# Altium PCB bms_mainboard-1_0.PcbDoc (part 3 of 7) (continued)
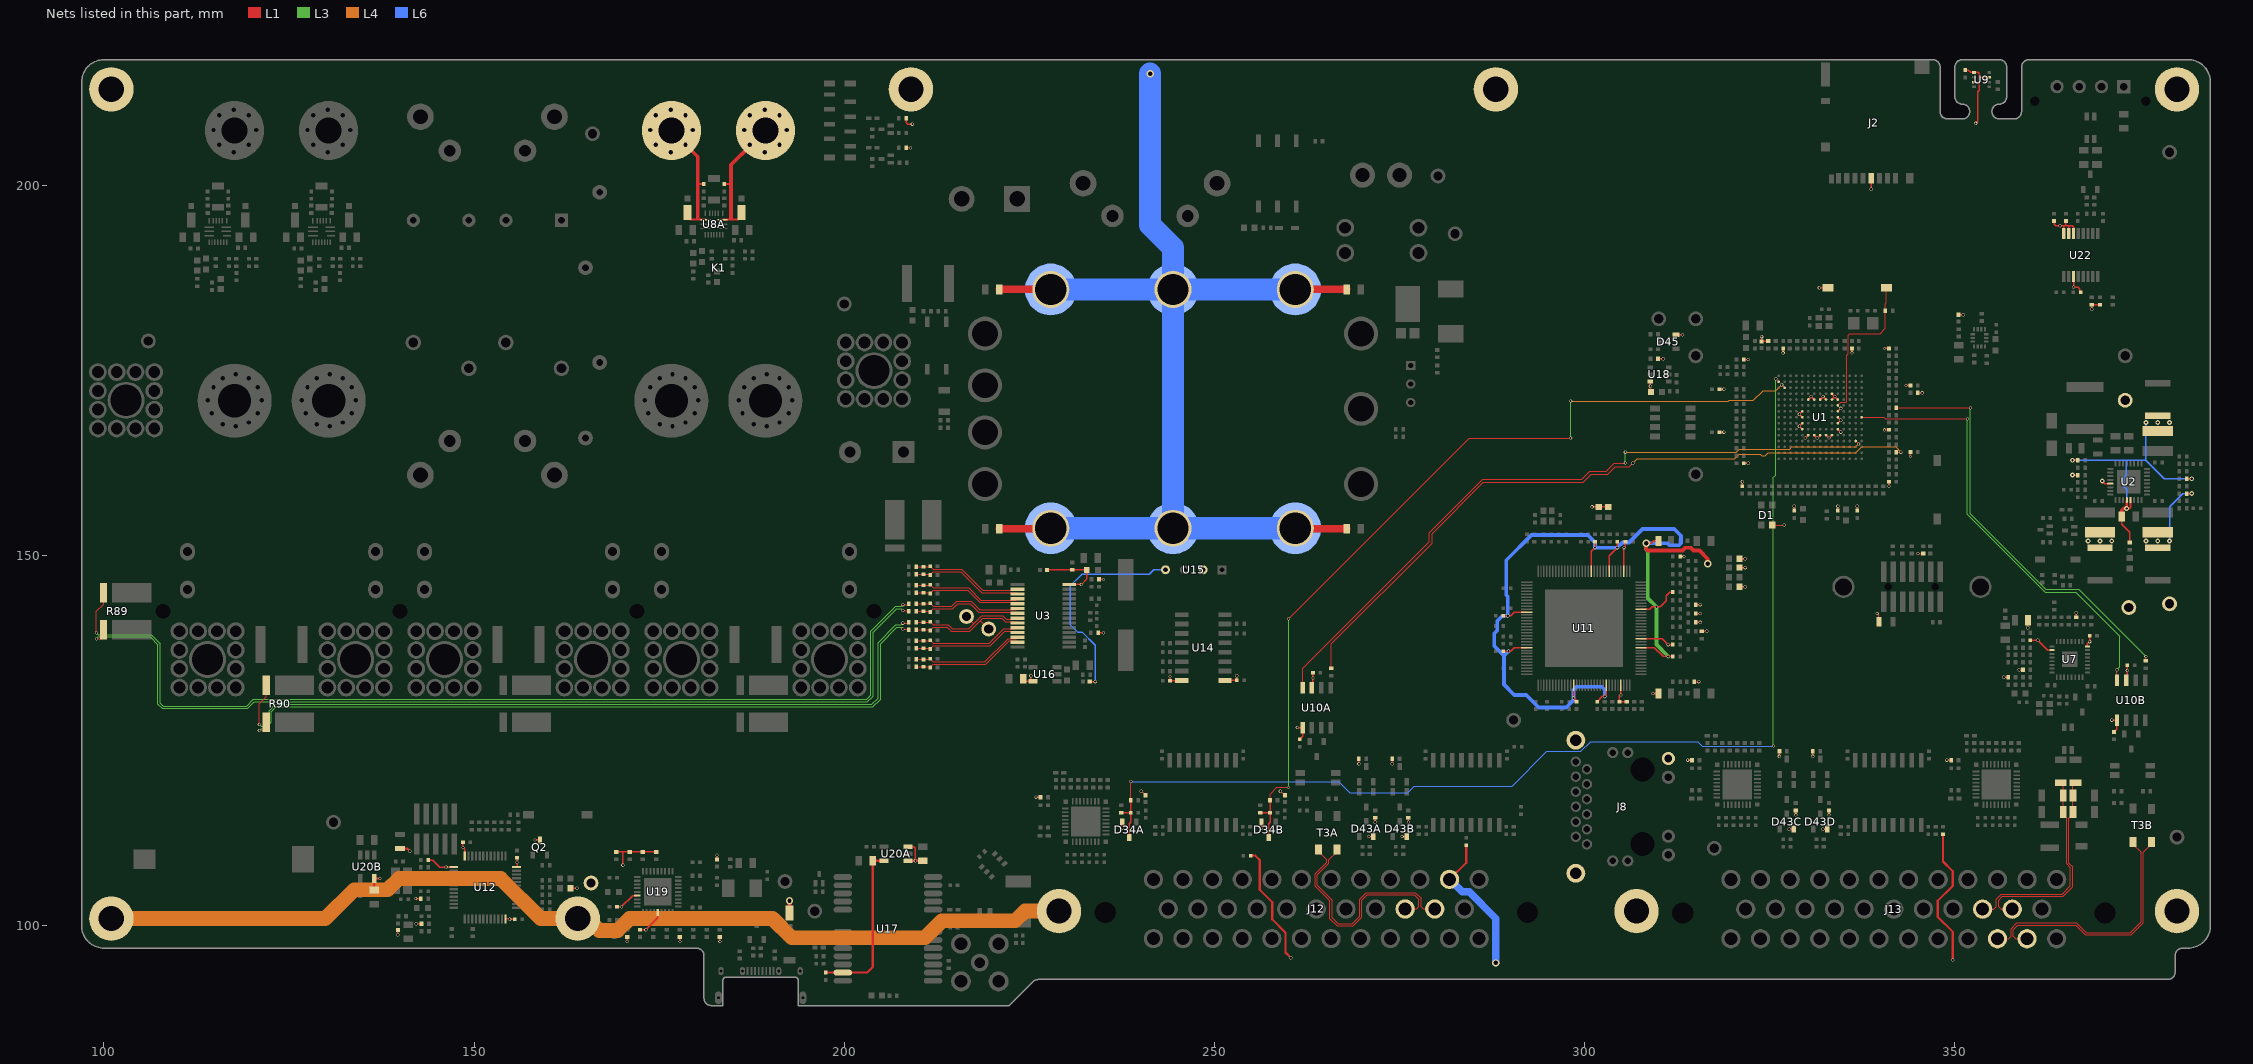
[diagram p7: the nets of this part, all layers, seen from the top]
## Part data (continued)
J2: library part CONN_HIROSE_DM3BT-DSF-PEJS_MICRO_SD_R/A_PUSH-PUSH_SMD, "CONN MICRO SD R/A PUSH-PUSH SMD", Manufacturer="Hirose Electric Co Ltd", Supplier Part Number 1=HR1942CT-ND, ComponentLink1Description=Datasheet, ComponentLink1URL=http://www.hirose.co.jp/cataloge_hp/e60900232.pdf, Manufacturer Part Number=DM3BT-DSF-PEJS, Supplier 1=Digikey, Supplier 2=LCSC, Supplier Part Number 2=C597972
J3 J4 J5 J6 J18 J19 J20 J21: library part CONN_WURTH_7461086, "POWER ELEMENT BUSH M4 12PIN", Manufacturer="Wurth Electronics", Supplier Part Number 1=732-3207-ND, Manufacturer Part Number=7461086, Supplier 1=Digikey, Thread Size=M4
J7: library part CONN_AMASS_2POS_VERT_XT30UPB-M, "Vertical PCB mount XT30 male", Manufacturer="Changzhou Amass Elec", Supplier Part Number 1=C428721, ComponentLink1Description=Datasheet, ComponentLink1URL=https://www.tme.com/Document/1191bc2fa3aee3c446e5a895fd8f7983/XT60PW-F.pdf, Manufacturer Part Number=XT30UPB-M, Supplier 1=LCSC
J8: library part CONN_BELFUSE_ETHERNET_V8BR-1AX1-GH, "Conn RJ-45 F 8 POS 1.02mm Solder ST Thru-Hole 20 Terminal 1 Port Tray", Manufacturer=Bel, Supplier Part Number 1=5923-V8BR-1AX1-GH-ND, ComponentLink1Description=Drawing, ComponentLink1URL=https://www.belfuse.com/media/drawings/products/magjack%20ICMs/dr-MAG-V8BR-1AX1-GH.pdf, Manufacturer Part Number=V8BR-1AX1-GH, Supplier 1=Digikey, Supplier 2=LCSC, Supplier Part Number 2=C5346729
J9: library part CONN_WURTH_WR-FPC_8POS_1.00mm_686108183822, "CONN FFC VERT 8POS 1MM SMD", Manufacturer="Wurth Elektronik", Supplier Part Number 1=732-6018-1-ND, ComponentLink1Description=Drawing, ComponentLink1URL=https://www.we-online.com/components/products/datasheet/686104148922.pdf, Manufacturer Part Number=686108183822, Supplier 1=Digikey, Supplier 2=Mouser, Supplier Part Number 2=710-686108183822
J11: library part CONN_USBC_UJ20-C-G-MSMT-TR-68, "USB-C (USB TYPE-C) USB 2.0 Receptacle Connector 24 (16+8 Dummy) Position Surface Mount, Right Angle; Through Hole", Manufacturer="Same Sky", Supplier Part Number 1=2223-UJ20-C-G-MSMT-TR-68CT-ND, ComponentLink1Description="Product page", ComponentLink1URL=https://www.sameskydevices.com/product/interconnect/connectors/usb-connectors/uj20-c-g-msmt-tr-68, ComponentLink2Description=Drawing, ComponentLink2URL=https://www.sameskydevices.com/product/resource/uj20-c-g-msmt-tr-68.pdf, Manufacturer Part Number=UJ20-C-G-MSMT-TR-68, Supplier 1=Digikey, Supplier 2=LCSC, Supplier Part Number 2=C21943923
J12: library part CONN_AMPSEAL_35POS_RA_1-776163-1, "Conn Power PL 35 POS 4mm Solder RA Thru-Hole 35 Terminal 1 Port, BLACK", Manufacturer="TE Connectivity", Supplier Part Number 1=A106383-ND, ComponentLink1Description="Product page", ComponentLink1URL=https://www.te.com/en/product-1-776163-1.html, ComponentLink2Description=Drawing, ComponentLink2URL=https://www.te.com/commerce/DocumentDelivery/DDEController?Action=showdoc&DocId=Customer+Drawing%7F776163%7FK%7Fpdf%7FEnglish%7FENG_CD_776163_K.pdf%7F1-776163-1, ComponentLink3Description="Application specification", ComponentLink3URL=https://www.te.com/commerce/DocumentDelivery/DDEController?Action=showdoc&DocId=Specification+Or+Standard%7F114-16016%7FR1%7Fpdf%7FEnglish%7FENG_SS_114-16016_R1.pdf%7F1-776163-1, ComponentLink4Description="Series catalog", ComponentLink4URL=https://www.te.com/commerce/DocumentDelivery/DDEController?Action=showdoc&DocId=Data+Sheet%7F1-1773979-2%7FA%7Fpdf%7FEnglish%7FENG_DS_1-1773979-2_A.pdf%7F1-776280-1, ComponentLink5Description="Product specification", ComponentLink5URL=https://www.te.com/commerce/DocumentDelivery/DDEController?Action=showdoc&DocId=Specification+Or+Standard%7F108-1329%7FE1%7Fpdf%7FEnglish%7FENG_SS_108-1329_E1.pdf%7F1-776163-1, Manufacturer Part Number=1-776163-1, Supplier 1=Digikey, Supplier 2=LCSC, Supplier Part Number 2=C596198
J13: library part CONN_AMPSEAL_35POS_RA_1-776163-5, "Conn Power PL 35 POS 4mm Solder RA Thru-Hole 35 Terminal 1 Port, BLUE", Manufacturer="TE Connectivity", Supplier Part Number 1=1-776163-5-ND, ComponentLink1Description="Product page", ComponentLink1URL=https://www.te.com/en/product-1-776163-5.html, ComponentLink2Description=Drawing, ComponentLink2URL=https://www.te.com/commerce/DocumentDelivery/DDEController?Action=showdoc&DocId=Customer+Drawing%7F776163%7FK%7Fpdf%7FEnglish%7FENG_CD_776163_K.pdf%7F1-776163-5, ComponentLink3Description="Application specification", ComponentLink3URL=https://www.te.com/commerce/DocumentDelivery/DDEController?Action=showdoc&DocId=Specification+Or+Standard%7F114-16016%7FR1%7Fpdf%7FEnglish%7FENG_SS_114-16016_R1.pdf%7F1-776163-5, ComponentLink4Description="Series catalog", ComponentLink4URL=https://www.te.com/commerce/DocumentDelivery/DDEController?Action=showdoc&DocId=Data+Sheet%7F1-1773979-2%7FA%7Fpdf%7FEnglish%7FENG_DS_1-1773979-2_A.pdf%7F1-776163-5, ComponentLink5Description="Product specification", ComponentLink5URL=https://www.te.com/commerce/DocumentDelivery/DDEController?Action=showdoc&DocId=Specification+Or+Standard%7F108-1329%7FE1%7Fpdf%7FEnglish%7FENG_SS_108-1329_E1.pdf%7F1-776163-5, Manufacturer Part Number=1-776163-5, Supplier 1=Digikey, Supplier 2=LCSC, Supplier Part Number 2=C17378321
J14: library part CONN_GCT_SMA_RA_RFPC-SMA14-FN-A, "SMA Connector Jack, Female Socket Panel Mount, Through Hole, Right Angle Solder, IP68 unmated", Manufacturer="GCT (Gradconn)", Supplier Part Number 1=2072-RFPC-SMA14-FN-A-ND, ComponentLink1Description=Datasheet, ComponentLink1URL=https://www.gradconn.com/Files/Drawings/RFPC-SMA14-FN.pdf, Manufacturer Part Number=RFPC-SMA14-FN-A, Supplier 1=Digikey, Supplier 2=LCSC, Supplier Part Number 2=C3173272
J15: library part CONN_MOLEX_MICROFIT_4POS_VERT_43650-0416, "Connector Header Through Hole 4 position 0.118\" (3.00mm)", Manufacturer=Molex, Supplier Part Number 1=WM1924-ND, ComponentLink1Description=Drawing, ComponentLink1URL=https://www.molex.com/content/dam/molex/molex-dot-com/products/automated/en-us/salesdrawingpdf/436/43650/436500416_sd.pdf?inline, ComponentLink2Description="Product page", ComponentLink2URL=https://www.molex.com/en-us/products/part-detail/436500416, Manufacturer Part Number=43650-0416, Supplier 1=Digikey, Supplier 2=LCSC, Supplier Part Number 2=C587671
J16: library part CONN_SWD_CORTEX_DEBUG, "CONN HEADER 10 POS DUAL .05\" SMD", Manufacturer="Samtec Inc", Supplier Part Number 1=FTSH-105-01-L-DV-K-ND, ComponentLink1Description=Datasheet, ComponentLink1URL=http://www.samtec.com/documents/webfiles/cpdf/FTSH-1XX-XX-XXX-DV-XXX-MKT.pdf, Manufacturer Part Number=FTSH-105-01-L-DV-K, Supplier 1=Digikey, Supplier 2=LCSC, Supplier Part Number 2=C448647
K1 K3: library part RELAY_P126BDA, "RELAY GEN PURPOSE SPST 60A 12V", Manufacturer=Sensata, Supplier Part Number 1=3596-P126BDA-ND, ComponentLink1Description=Datasheet, ComponentLink1URL=https://www.sensata.com/sites/default/files/a/sensata-gigavac-p126-series-minitactor-contactors-datasheet.pdf, Manufacturer Part Number=P126BDA, Supplier 1=Digikey, Supplier 2=Mouser, Supplier Part Number 2=682-P126BDA
K2: library part RELAY_FTR-J2AK006W, "General Purpose Relay 450VDC/10A", Manufacturer=Fujitsu, ComponentLink1Description=Datasheet, ComponentLink1URL=https://www.fcl-components.com/downloads/MICRO/fcai/relays/ftr-j2.pdf, Manufacturer Part Number=FTR-J2AK006W, Supplier 1=Verical, Supplier 2=Mouser, Supplier Part Number 1=FTR-J2AK006W, Supplier Part Number 2=817-FTR-J2AK006W
K4: library part SSR_250V_LCB127STR, "Relay Ssr 50MA 1.4V Dc-in 0.2A 250V Ac/dc-out 6-PIN PDIP SMD T/r", Manufacturer=IXYS, Supplier Part Number 1=212-LCB127STRCT-ND, ComponentLink1Description=Datasheet, ComponentLink1URL=https://www.littelfuse.com/assetdocs/littelfuse-integrated-circuits-lcb127-datasheet?assetguid=ed9c03ce-9d8a-4952-b2f0-cdedc4b0af1f, Manufacturer Part Number=LCB127STR, Supplier 1=Digikey, Supplier 2=LCSC, Supplier Part Number 2=C6286119
K5: library part SSR_350V_CPC1150NTR, "CPC1150N Series SPST 120 mA 350 V Single Channel Solid State Relay SMT - SOIC-4", Manufacturer=Littelfuse, Supplier Part Number 1=5656-CPC1150NTRCT-ND, ComponentLink1Description=Datasheet, ComponentLink1URL=https://www.littelfuse.com/media?resourcetype=datasheets&itemid=7f3e9a05-5c4a-493e-bfe5-2075df32c7f9&filename=littelfuse-integrated-circuits-cpc1150n-series-datasheet, Manufacturer Part Number=CPC1150NTR, Supplier 1=Digikey, Supplier 2=LCSC, Supplier Part Number 2=C5299824
L1 L2 L3: library part IND_4.7UH_FTC404020S4R7MGCA, "5A 4.7uH 6.3A 58mΩ ±20% SMD,4.1x4.1mm Fixed Inductors RoHS", Current=5A, Manufacturer=cjiang, ComponentLink1Description=Datasheet, ComponentLink1URL=https://www.lcsc.com/datasheet/C39676072.pdf, Manufacturer Part Number=FTC404020S4R7MGCA, Supplier 2=LCSC, Supplier Part Number 2=C39676072
L4: library part IND_0.068UH_LQW18AN68NJ80D, "General Purpose Inductor, 0.068uH, 5%, 1 Element, Wirewound-Core, 1608/0603, 2.38GHz self resonant frequency", Current=630mA, Manufacturer=Murata, Supplier Part Number 1=LQW18AN68NJ80D-ND, Manufacturer Part Number=LQW18AN68NJ80D, Supplier 1=Digikey, Supplier 2=LCSC, Supplier Part Number 2=C269832
Q1: library part PNP_40V_MMBT3906T, "Bipolar (BJT) Transistor NPN 40 V 200 mA 300MHz 150 mW Surface Mount SOT-523", Current="200 mA", Manufacturer="Shenzhen Slkormicro Semicon Co., Ltd.", Supplier Part Number 1=5399-MMBT3906TCT-ND, Voltage="40 V", ComponentLink1Description=Datasheet, ComponentLink1URL=https://mm.digikey.com/Volume0/opasdata/d220001/medias/docus/7136/5399_MMBT3906T%20SOT-523.pdf, Manufacturer Part Number=MMBT3906T, Supplier 1=Digikey, Supplier 2=LCSC, Supplier Part Number 2=C61615
Q2 Q11A Q11B Q11C Q11D: library part NPN_25V_S9013, "Bipolar (BJT) Transistor NPN 25 V 500 mA 150MHz 300 mW Surface Mount SOT-23", Current=500mA, Manufacturer="Shenzhen Slkormicro Semicon Co., Ltd.", Supplier Part Number 1=5399-S9013CT-ND, Voltage=25V, ComponentLink1Description=Datasheet, ComponentLink1URL=https://www.onsemi.com/pdf/datasheet/nss1c201mz4-d.pdf, Manufacturer Part Number=S9013, Supplier 1=Digikey, Supplier 2=LCSC, Supplier Part Number 2=C431712
Q3 Q4 Q5 Q7: library part NPN_40V_MMBT3904T, "Bipolar (BJT) Transistor NPN 40 V 200 mA 300MHz 150 mW Surface Mount SOT-523", Current="200 mA", Manufacturer="Shenzhen Slkormicro Semicon Co., Ltd.", Supplier Part Number 1=5399-MMBT3904TCT-ND, Voltage="40 V", ComponentLink1Description=Datasheet, ComponentLink1URL=https://mm.digikey.com/Volume0/opasdata/d220001/medias/docus/7136/5399_MMBT3904T%20SOT-523.pdf, Manufacturer Part Number=MMBT3904T, Supplier 1=Digikey, Supplier 2=LCSC, Supplier Part Number 2=C61616
Q6: library part PFET_20V_FDC638P, "MOSFET P-CH 20V 4.5A SSOT-6", Manufacturer=onsemi, Supplier Part Number 1=FDC638PCT-ND, ComponentLink1Description=Datasheet, ComponentLink1URL=https://www.onsemi.com/pdf/datasheet/fdc638p-d.pdf, Manufacturer Part Number=FDC638P, Supplier 1=Digikey, Supplier 2=LCSC, Supplier Part Number 2=C241772
R1 R2 R3 R4 R5 R6 R7 R8 R9 R10 R12 R13 R14 R15 R16 R17 R18 R19 R21 R22 R23 R24 R25 R26 R27 R28 R29 R30 R31 R32 R33 R34 R35 R36 R37 R38 R39 R40 R41 R42 R43 R44 R45 R46 R47 R48 R49 R50 R51 R52 R53 R54 R55 R56 R57 R58 R59 R60 R61 R63 R64 R65 R66 R67 R68 R69 R70 R72 R73 R74 R75 R76 R77 R81 R86 R87 R91A R91B R91C R92A R92B R92C R93 R94 R95 R96 R103 R104A R104B R104C R104D R104E R104F R107A R107B R107C R107D R107E R107F R108 R109 R110 R111 R113 R114 R115 R116 R117 R118 R119 R120 R121 R122 R123 R124 R125 R126 R127 R128 R129 R130 R131 R132 R133 R134 R136A R136B R136C R137A R137B R137C R138A R138B R138C R140A R140B R140C R141A R141B R141C R143A R143B R143C R144A R144B R144C R146 R147 R148 R149 R150 R151 R152 R153 R154 R155 R156 R157 R158 R159 R161A R161B R164 R165 R168 R169 R170 R171 R172 R173 R174 R175 R176 R177 R178 R179 R180 R181 R182 R183 R184 R185 R186 R187 R188 R189 R190 R191 R192 R193 R194 R195 R196 R197 R198 R200 R201 R203 R204 R206 R207 R208 R209 R210 R211 R212 R213 R214 R215 R216 R217A R217B R219A R219B R219C R220A R220B R220C R221A R221B R221C R222A R222B R222C R223A R223B R223C R224A R224B R224C R225A R225B R225C R226A R226B R226C R227A R227B R227C R228 R229 R230 R231 R232 R233 R239 R242 R243 R244 R246 R247 R248 R249 R250 R251 R252 R253 R254 R255 R256 R257 R258 R259 R260 R261 R262 R263 R264A R264B R264C R264D R265A R265B R265C R265D R266A R266B R266C R266D R267 R268 R269 R270 R271 R273 R274 R275 R276 R277 R278 R279 R280 R282 R283 R284 R285 R286 R287 R288 R289 R290 R291 R292 R293 R294: Manufacturer="UNI-ROYAL(Uniroyal Elec)", Package=0402, Power Rating (mW)=62.5, Temperature Coefficient=Â±100ppm/â„ƒ, Tolerance=1%, ComponentLink1Description=Datasheet, Supplier 2=LCSC
  R1 R2 R3 R4 R5 R6 R7 R9 R15 R16 R17 R18 R19 R21 R22 R23 R25 R26 R27 R28 R29 R31 R32 R33 R34 R35 R36 R37 R38 R40 R41 R43 R44 R45 R46 R47 R48 R49 R50 R51 R53 R56 R74 R95 R103 R120 R121 R123 R125 R128 R129 R131 R134 R149 R150 R151 R152 R153 R157 R158 R159 R161A R161B R172 R173 R174 R175 R178 R179 R190 R191 R192 R196 R197 R206 R207 R208 R210 R212 R213 R214 R228 R229 R230 R231 R232 R233 R243 R244 R247 R258 R259 R260 R261 R262 R263 R280 R282 R283 R284 R285 R286 R287 R290 R294: ComponentLink1URL=https://wmsc.lcsc.com/wmsc/upload/file/pdf/v2/lcsc/2205311900_UNI-ROYAL-Uniroyal-Elec-0402WGF330JTCE_C25105.pdf, Manufacturer Part Number=0402WGF330JTCE, Supplier Part Number 2=C25105
  R8 R12 R42 R55 R154 R181 R182 R186 R195 R219A R219B R219C R227A R227B R227C R251 R254 R275: ComponentLink1URL=https://wmsc.lcsc.com/wmsc/upload/file/pdf/v2/lcsc/2205311900_UNI-ROYAL-Uniroyal-Elec-0402WGF3300TCE_C25104.pdf, Manufacturer Part Number=0402WGF3300TCE, Supplier Part Number 2=C25104
  R10 R13 R14 R24 R39 R59 R61 R63 R72 R96 R104A R104B R104C R104D R104E R104F R107A R107B R107C R107D R107E R107F R132 R143A R143B R143C R155 R156 R164 R165 R168 R169 R170 R171 R198 R200 R211 R223A R223B R223C R224A R224B R224C R225A R225B R225C R226A R226B R226C R248 R253 R266A R266B R266C R266D R292: ComponentLink1URL=https://wmsc.lcsc.com/wmsc/upload/file/pdf/v2/lcsc/2206010216_UNI-ROYAL-Uniroyal-Elec-0402WGF1001TCE_C11702.pdf, Manufacturer Part Number=0402WGF1001TCE, Supplier Part Number 2=C11702
  R30 R57 R58 R65 R66 R67 R68 R73 R75 R76 R81 R86 R93 R94 R110 R111 R114 R115 R116 R117 R136A R136B R136C R137A R137B R137C R140A R140B R140C R144A R144B R144C R146 R147 R148 R177 R183 R184 R185 R187 R188 R201 R209 R215 R216 R239 R246 R249 R250 R255 R256 R257 R264A R264B R264C R264D R265A R265B R265C R265D R269 R270 R271 R273 R274 R276 R277 R278 R288 R289: ComponentLink1URL=https://wmsc.lcsc.com/wmsc/upload/file/pdf/v2/lcsc/2206010100_UNI-ROYAL-Uniroyal-Elec-0402WGF1002TCE_C25744.pdf, Manufacturer Part Number=0402WGF1002TCE, Supplier Part Number 2=C25744
  R52 R54 R204: ComponentLink1URL=https://wmsc.lcsc.com/wmsc/upload/file/pdf/v2/lcsc/2206010045_UNI-ROYAL-Uniroyal-Elec-0402WGF1501TCE_C25867.pdf, Manufacturer Part Number=0402WGF1501TCE, Supplier Part Number 2=C25867
  R60: ComponentLink1URL=https://wmsc.lcsc.com/wmsc/upload/file/pdf/v2/lcsc/2206010030_UNI-ROYAL-Uniroyal-Elec-0402WGF7322TCE_C26986.pdf, Manufacturer Part Number=0402WGF7322TCE, Supplier Part Number 2=C26986
  R64: ComponentLink1URL=https://wmsc.lcsc.com/wmsc/upload/file/pdf/v2/lcsc/2206010045_UNI-ROYAL-Uniroyal-Elec-0402WGF8872TCE_C25922.pdf, Manufacturer Part Number=0402WGF8872TCE, Supplier Part Number 2=C25922
  R69 R141A R141B R141C R267 R268: ComponentLink1URL=https://wmsc.lcsc.com/wmsc/upload/file/pdf/v2/lcsc/2206010100_UNI-ROYAL-Uniroyal-Elec-0402WGF1003TCE_C25741.pdf, Manufacturer Part Number=0402WGF1003TCE, Supplier Part Number 2=C25741
  R70 R203: ComponentLink1URL=https://wmsc.lcsc.com/wmsc/upload/file/pdf/v2/lcsc/2206010100_UNI-ROYAL-Uniroyal-Elec-0402WGF3302TCE_C25779.pdf, Manufacturer Part Number=0402WGF3302TCE, Supplier Part Number 2=C25779
  R77: ComponentLink1URL=https://wmsc.lcsc.com/wmsc/upload/file/pdf/v2/lcsc/2206010030_UNI-ROYAL-Uniroyal-Elec-0402WGF1004TCE_C26083.pdf, Manufacturer Part Number=0402WGF1004TCE, Supplier Part Number 2=C26083
  R87: ComponentLink1URL=https://wmsc.lcsc.com/wmsc/upload/file/pdf/v2/lcsc/2205312316_UNI-ROYAL-Uniroyal-Elec-0402WGF9531TCE_C96273.pdf, Manufacturer Part Number=0402WGF9531TCE, Supplier Part Number 2=C96273
  R91A R91B R91C R92A R92B R92C: ComponentLink1URL=https://wmsc.lcsc.com/wmsc/upload/file/pdf/v2/lcsc/2205311900_UNI-ROYAL-Uniroyal-Elec-0402WGF750JTCE_C25133.pdf, Manufacturer Part Number=0402WGF750JTCE, Supplier Part Number 2=C25133
  R108: ComponentLink1URL=https://wmsc.lcsc.com/wmsc/upload/file/pdf/v2/lcsc/2206010000_UNI-ROYAL-Uniroyal-Elec-0402WGF3901TCE_C51721.pdf, Manufacturer Part Number=0402WGF3901TCE, Supplier Part Number 2=C51721
  R109 R113: ComponentLink1URL=https://wmsc.lcsc.com/wmsc/upload/file/pdf/v2/lcsc/2206010100_UNI-ROYAL-Uniroyal-Elec-0402WGF4702TCE_C25792.pdf, Manufacturer Part Number=0402WGF4702TCE, Supplier Part Number 2=C25792
  R118 R119 R138A R138B R138C R193 R194 R220A R220B R220C R221A R221B R221C R222A R222B R222C: ComponentLink1URL=https://wmsc.lcsc.com/wmsc/upload/file/pdf/v2/lcsc/2206010045_UNI-ROYAL-Uniroyal-Elec-0402WGF4701TCE_C25900.pdf, Manufacturer Part Number=0402WGF4701TCE, Supplier Part Number 2=C25900
  R122 R124 R130 R133 R176 R180 R252: ComponentLink1URL=https://wmsc.lcsc.com/wmsc/upload/file/pdf/v2/lcsc/2206010045_UNI-ROYAL-Uniroyal-Elec-0402WGF2201TCE_C25879.pdf, Manufacturer Part Number=0402WGF2201TCE, Supplier Part Number 2=C25879
  R126 R127: ComponentLink1URL=https://wmsc.lcsc.com/wmsc/upload/file/pdf/v2/lcsc/2206010045_UNI-ROYAL-Uniroyal-Elec-0402WGF5101TCE_C25905.pdf, Manufacturer Part Number=0402WGF5101TCE, Supplier Part Number 2=C25905
  R189: ComponentLink1URL=https://wmsc.lcsc.com/wmsc/upload/file/pdf/v2/lcsc/2206010045_UNI-ROYAL-Uniroyal-Elec-0402WGF6041TCE_C25913.pdf, Manufacturer Part Number=0402WGF6041TCE, Supplier Part Number 2=C25913
  R217A R217B: ComponentLink1URL=https://wmsc.lcsc.com/wmsc/upload/file/pdf/v2/lcsc/2206010045_UNI-ROYAL-Uniroyal-Elec-0402WGF3301TCE_C25890.pdf, Manufacturer Part Number=0402WGF3301TCE, Supplier Part Number 2=C25890
  R242: ComponentLink1URL=https://wmsc.lcsc.com/wmsc/upload/file/pdf/v2/lcsc/2206010216_UNI-ROYAL-Uniroyal-Elec-0402WGF1242TCE_C11692.pdf, Manufacturer Part Number=0402WGF1242TCE, Supplier Part Number 2=C11692
  R279: ComponentLink1URL=https://wmsc.lcsc.com/wmsc/upload/file/pdf/v2/lcsc/2411221127_UNI-ROYAL-Uniroyal-Elec-0402WGF1202TCE_C25752.pdf, Manufacturer Part Number=0402WGF1202TCE, Supplier Part Number 2=C25752
  R291 R293: ComponentLink1URL=https://wmsc.lcsc.com/wmsc/upload/file/pdf/v2/lcsc/2205311900_UNI-ROYAL-Uniroyal-Elec-0402WGF499JTCE_C25120.pdf, Manufacturer Part Number=0402WGF499JTCE, Supplier Part Number 2=C25120
R11 R78 R79 R166 R167 R199 R234 R241 R272 R281: Manufacturer="Vishay Intertech", Package=0402, Power Rating (mW)=63, Temperature Coefficient=Â±100ppm/â„ƒ, Tolerance=1%, ComponentLink1Description=Datasheet, ComponentLink1URL=https://wmsc.lcsc.com/wmsc/upload/file/pdf/v2/lcsc/2211030200_Vishay-Intertech-CRCW04021R00FKED_C482087.pdf, Manufacturer Part Number=CRCW04021R00FKED, Supplier 2=LCSC, Supplier Part Number 2=C482087
R20 R205: Manufacturer=PANASONIC, Package=0805, Power Rating (mW)=500, Temperature Coefficient=Â±100ppm/â„ƒ, Tolerance=1%, ComponentLink1Description=Datasheet, ComponentLink1URL=https://wmsc.lcsc.com/wmsc/upload/file/pdf/v2/lcsc/2404150944_PANASONIC-ERJP06F1000V_C441975.pdf, Manufacturer Part Number=ERJP06F1000V, Supplier 2=LCSC, Supplier Part Number 2=C441975
R62: Manufacturer="UNI-ROYAL(Uniroyal Elec)", Package=0805, Power Rating (mW)=333.3, Temperature Coefficient=Â±100ppm/â„ƒ, Tolerance=1%, ComponentLink1Description=Datasheet, ComponentLink1URL=https://datasheet.lcsc.com/lcsc/2304140030_UNI-ROYAL-Uniroyal-Elec-HP05W3F220KT5E_C2759317.pdf, Manufacturer Part Number=HP05W3F220KT5E, Supplier 2=LCSC, Supplier Part Number 2=C2759317
R71 R135A R135B R135C R139A R139B R139C R162A R162B R163A R163B R218A R218B: Manufacturer=FOJAN, Package=0402, Power Rating (mW)=62.5, Temperature Coefficient=Â±100ppm/â„ƒ, Tolerance=1%, ComponentLink1Description=Datasheet, Supplier 2=LCSC
  R71: ComponentLink1URL=https://datasheet.lcsc.com/lcsc/2308241947_FOJAN-FRC0402F4532TS_C2933099.pdf, Manufacturer Part Number=FRC0402F4532TS, Supplier Part Number 2=C2933099
  R135A R135B R135C R139A R139B R139C: ComponentLink1URL=https://datasheet.lcsc.com/lcsc/2308241947_FOJAN-FRC0402F10R0TS_C2906862.pdf, Manufacturer Part Number=FRC0402F10R0TS, Supplier Part Number 2=C2906862
  R162A R162B R163A R163B: ComponentLink1URL=https://datasheet.lcsc.com/lcsc/2308241947_FOJAN-FRC0402F60R4TS_C2960873.pdf, Manufacturer Part Number=FRC0402F60R4TS, Supplier Part Number 2=C2960873
  R218A R218B: ComponentLink1URL=https://datasheet.lcsc.com/lcsc/2308241947_FOJAN-FRC0402F6651TS_C2998056.pdf, Manufacturer Part Number=FRC0402F6651TS, Supplier Part Number 2=C2998056
R80 R83 R89: library part RES_CURRENT_SENSE_0.0005_OHM_1%_3W_2726_WSL2726L5000FEB, "RES SMD 0.0005 OHM 1% 3W 2726", Manufacturer="Vishay Dale", Resistance (Ohms)=0.0005, Supplier Part Number 1=WSLQ-.0005CT-ND, ComponentLink1Description=Datasheet, ComponentLink1URL=http://www.vishay.com/docs/30131/wsl2726.pdf, Manufacturer Part Number=WSL2726L5000FEB, Supplier 1=Digikey, Supplier 2=LCSC, Supplier Part Number 2=C4132421
R82: library part RES_7.5_OHM_100W_1%_TO247, "RES TK FM 7.5 OHM 100W 1% TO247", Manufacturer=Ohmite, Power (Watts)=100W, Resistance (Ohms)=7.5, Supplier Part Number 1=TEH100M7R50FE-ND, ComponentLink1Description=Datasheet, ComponentLink1URL=http://www.ohmite.com/cat/res_teh100.pdf, Manufacturer Part Number=TEH100M7R50FE, Supplier 1=Digikey, Supplier 2=LCSC, Supplier Part Number 2=C2641795
R84: "RES TK FM 7.5 OHM 100W 1% TO247", Manufacturer=Ohmite, Manufacturer Part Number=TEH100M7R50FE, Power (Watts)=100W, Resistance (Ohms)=7.5, Supplier Part Number 1=TEH100M7R50FE-ND, ComponentLink1Description=Datasheet, ComponentLink1URL=http://www.ohmite.com/cat/res_teh100.pdf, Supplier 1=Digikey, Supplier 2=LCSC, Supplier Part Number 2=C2641795
R85: Manufacturer=YAGEO, Package=1206, Power Rating (mW)=250, Temperature Coefficient=Â±100ppm/â„ƒ, Tolerance=1%, ComponentLink1Description=Datasheet, ComponentLink1URL=https://wmsc.lcsc.com/wmsc/upload/file/pdf/v2/lcsc/2304140030_YAGEO-RC1206FR-072M2L_C137329.pdf, Manufacturer Part Number=RC1206FR-072M2L, Supplier 2=LCSC, Supplier Part Number 2=C137329
R88 R142A R142B R142C: Manufacturer="UNI-ROYAL(Uniroyal Elec)", Package=0402, Power Rating (mW)=62.5, ComponentLink1Description=Datasheet, ComponentLink1URL=https://wmsc.lcsc.com/wmsc/upload/file/pdf/v2/lcsc/2206010216_UNI-ROYAL-Uniroyal-Elec-0402WGF0000TCE_C17168.pdf, Manufacturer Part Number=0402WGF0000TCE, Supplier 2=LCSC, Supplier Part Number 2=C17168
R90 R160: library part RES_CURRENT_SENSE_0.005_OHM_1%_3W_2726_WSL27265L000FEB, "RES SMD 0.005 OHM 1% 3W 2726", Manufacturer="Vishay Dale", Resistance (Ohms)=0.005, Supplier Part Number 1=WSLQ-.005CT-ND, ComponentLink1Description=Datasheet, ComponentLink1URL=http://www.vishay.com/docs/30131/wsl2726.pdf, Manufacturer Part Number=WSL27265L000FEB, Supplier 1=Digikey, Supplier 2=LCSC, Supplier Part Number 2=C1517421
R112: library part RES_470_OHM_100W_1%_TO247, "RES TK FM 470 OHM 100W 1% TO247", Manufacturer=Ohmite, Power (Watts)=100W, Resistance (Ohms)=470, Supplier Part Number 1=TEH100M470RJE-ND, ComponentLink1Description=Datasheet, ComponentLink1URL=http://www.ohmite.com/cat/res_teh100.pdf, Manufacturer Part Number=TEH100M470RJE, Supplier 1=Digikey, Supplier 2=LCSC, Supplier Part Number 2=C2642463
R145A R145B R145C: Manufacturer="UNI-ROYAL(Uniroyal Elec)", Package=1206, Power Rating (mW)=500, Temperature Coefficient=Â±100ppm/â„ƒ, Tolerance=1%, ComponentLink1Description=Datasheet, ComponentLink1URL=https://wmsc.lcsc.com/wmsc/upload/file/pdf/v2/lcsc/2304140030_UNI-ROYAL-Uniroyal-Elec-HP06W2F130KT5E_C414957.pdf, Manufacturer Part Number=HP06W2F130KT5E, Supplier 2=LCSC, Supplier Part Number 2=C414957
R202: Manufacturer=YAGEO, Package=0402, Power Rating (mW)=62.5, Temperature Coefficient=Â±100ppm/â„ƒ, Tolerance=1%, ComponentLink1Description=Datasheet, ComponentLink1URL=https://wmsc.lcsc.com/wmsc/upload/file/pdf/v2/lcsc/2304140030_YAGEO-RC0402FR-07100RL_C106232.pdf, Manufacturer Part Number=RC0402FR-07100RL, Supplier 2=LCSC, Supplier Part Number 2=C106232
R235 R236 R240: Manufacturer="UNI-ROYAL(Uniroyal Elec)", Package=1206, Power Rating (mW)=250, Temperature Coefficient=Â±100ppm/â„ƒ, Tolerance=1%, ComponentLink1Description=Datasheet, Supplier 2=LCSC
  R235 R236: ComponentLink1URL=https://wmsc.lcsc.com/wmsc/upload/file/pdf/v2/lcsc/2206010145_UNI-ROYAL-Uniroyal-Elec-1206W4F1002T5E_C17902.pdf, Manufacturer Part Number=1206W4F1002T5E, Supplier Part Number 2=C17902
  R240: ComponentLink1URL=https://wmsc.lcsc.com/wmsc/upload/file/pdf/v2/lcsc/2206010145_UNI-ROYAL-Uniroyal-Elec-1206W4F1003T5E_C17900.pdf, Manufacturer Part Number=1206W4F1003T5E, Supplier Part Number 2=C17900
R237 R238: Manufacturer=FOJAN, Package=1206, Power Rating (mW)=250, Temperature Coefficient=Â±100ppm/â„ƒ, Tolerance=1%, ComponentLink1Description=Datasheet, ComponentLink1URL=https://datasheet.lcsc.com/lcsc/2308241947_FOJAN-FRC1206F49R9TS_C2907389.pdf, Manufacturer Part Number=FRC1206F49R9TS, Supplier 2=LCSC, Supplier Part Number 2=C2907389
R245: Manufacturer=RALEC, Package=2512, Power Rating (mW)=1000, Temperature Coefficient=Â±100ppm/â„ƒ, Tolerance=1%, ComponentLink1Description=Datasheet, ComponentLink1URL=https://wmsc.lcsc.com/wmsc/upload/file/pdf/v2/lcsc/2304140030_RALEC-RTT2510R0FTE_C105071.pdf, Manufacturer Part Number=RTT2510R0FTE, Supplier 2=LCSC, Supplier Part Number 2=C105071
S1: library part SWITCH_CHS-04TA, "DIP Switch, Slide, SPST, Flush, Recessed, 6VDC, 100mA, CHS Series", Manufacturer="Nidec Copal", Supplier Part Number 1=563-1007-1-ND, ComponentLink1Description=Datasheet, ComponentLink1URL=https://www.nidec-components.com/e/catalog/switch/chs.pdf, Manufacturer Part Number=CHS-04TA, Supplier 1=Digikey, Supplier 2=LCSC, Supplier Part Number 2=C2921610
S2 S3 S7: library part SWITCH_TS-1092S-B3D2-G, "SWITCH TACTILE SPST-NO", Manufacturer=Yuandi, Supplier Part Number 1=C520860, ComponentLink1Description=Datasheet, ComponentLink1URL=https://www.lcsc.com/datasheet/lcsc_datasheet_2005071437_Yuandi-TS-1092S-B3D2-G_C520860.pdf, Manufacturer Part Number=TS-1092S-B3D2-G, Supplier 1=LCSC
S4: library part SWITCH_CHS-01TA, "DIP Switch, Slide, SPST, Flush, Recessed, 6VDC, 100mA, CHS Series", Manufacturer="Nidec Copal", Supplier Part Number 1=563-1003-1-ND, ComponentLink1Description=Datasheet, ComponentLink1URL=https://www.nidec-components.com/e/catalog/switch/chs.pdf, Manufacturer Part Number=CHS-01TA, Supplier 1=Digikey, Supplier 2=LCSC, Supplier Part Number 2=C2921603
S6A S6B: library part SWITCH_CHS-02TA, "DIP Switch, Slide, SPST, Flush, Recessed, 6VDC, 100mA, CHS Series", Manufacturer="Nidec Copal", Supplier Part Number 1=563-1005-1-ND, ComponentLink1Description=Datasheet, ComponentLink1URL=https://www.nidec-components.com/e/catalog/switch/chs.pdf, Manufacturer Part Number=CHS-02TA, Supplier 1=Digikey, Supplier 2=LCSC, Supplier Part Number 2=C2921606
T1A T1B T1C: library part ETH_H1102NL, "MODULE XFRMR SGL ETHR LAN 16SOIC", Manufacturer="Pulse Electronics Corporation", Supplier Part Number 1=553-1323-ND, ComponentLink1Description=Datasheet, ComponentLink1URL=https://productfinder.pulseelectronics.com/api/open/part-attachments/datasheet/H1102NL, Manufacturer Part Number=H1102NL, Supplier 1=Digikey, Supplier 2=LCSC, Supplier Part Number 2=C18584
T3A T3B: "CHOKE COMMON MODE 5000 OHM SMD", Manufacturer="TDK Corporation", Manufacturer Part Number=ACT45B-101-2P-TL003, Supplier Part Number 1=445-3959-1-ND, ComponentLink1Description=Datasheet, ComponentLink1URL=http://www.tdk.co.jp/tefe02/e9711_act.pdf, Size / Dimension="0.177\" L x 0.126\" W (4.50mm x 3.20mm)", Supplier 1=Digikey, Supplier 2=LCSC, Supplier Part Number 2=C88056
T4 T5: library part CHOKE_ACT1210D-131-2P-TL00, "130 µH @ 100 kHz 2 Line Common Mode Choke Surface Mount 6.7 kOhms @ 10 MHz 115mA DCR 3.5Ohm", Manufacturer="TDK Corporation", Supplier Part Number 1=445-ACT1210D-131-2P-TL00CT-ND, ComponentLink1Description=Datasheet, ComponentLink1URL=https://product.tdk.com/system/files/dam/doc/product/emc/emc/cmf_cmc/catalog/cmf_automotive_signal_act1210d_en.pdf, Manufacturer Part Number=ACT1210D-131-2P-TL00, Supplier 1=Digikey, Supplier 2=LCSC, Supplier Part Number 2=C5547342
TP1 TP2 TP3 TP32 TP33 TP34 TP35 TP36 TP37 TP39 TP41 TP43 TP45 TP46 TP47 TP48 TP51 TP52 TP71 TP72 TP79 TP89 TP90: Manufacturer=ronghe, ComponentLink1Description=Datasheet, ComponentLink1URL=https://datasheet.lcsc.com/lcsc/2307040929_ronghe-RH-5000_C5277086.pdf, Supplier 2=LCSC
  TP1 TP2: Manufacturer Part Number=RH-5002, Supplier Part Number 2=C5199802
  TP3 TP32 TP33 TP34 TP35 TP36 TP37 TP51 TP71 TP89 TP90: Manufacturer Part Number=RH-5000, Supplier Part Number 2=C5277086
  TP39 TP41 TP43 TP45 TP46 TP47 TP48 TP52 TP72 TP79: Manufacturer Part Number=RH-5001, Supplier Part Number 2=C5199801
U1: library part MCU_STM32F429NIH6, "ARM® Cortex®-M4 STM32F4 Microcontroller IC 32-Bit 180MHz 2MB (2M x 8) FLASH 216-TFBGA (13x13)", Manufacturer=STMicroelectronics, Supplier Part Number 1=497-17457-ND, ComponentLink1Description=Datasheet, ComponentLink1URL=https://www.st.com/content/ccc/resource/technical/document/datasheet/03/b4/b2/36/4c/72/49/29/DM00071990.pdf/files/DM00071990.pdf/jcr:content/translations/en.DM00071990.pdf, ComponentLink2Description="Reference Manual", ComponentLink2URL=https://www.st.com/resource/en/reference_manual/rm0090-stm32f405415-stm32f407417-stm32f427437-and-stm32f429439-advanced-armbased-32bit-mcus-stmicroelectronics.pdf, Manufacturer Part Number=STM32F429NIH6, Supplier 1=Digikey, Supplier 2=LCSC, Supplier Part Number 2=C710318